# Altium PCB Board.PcbDoc (part 2 of 8) (continued)
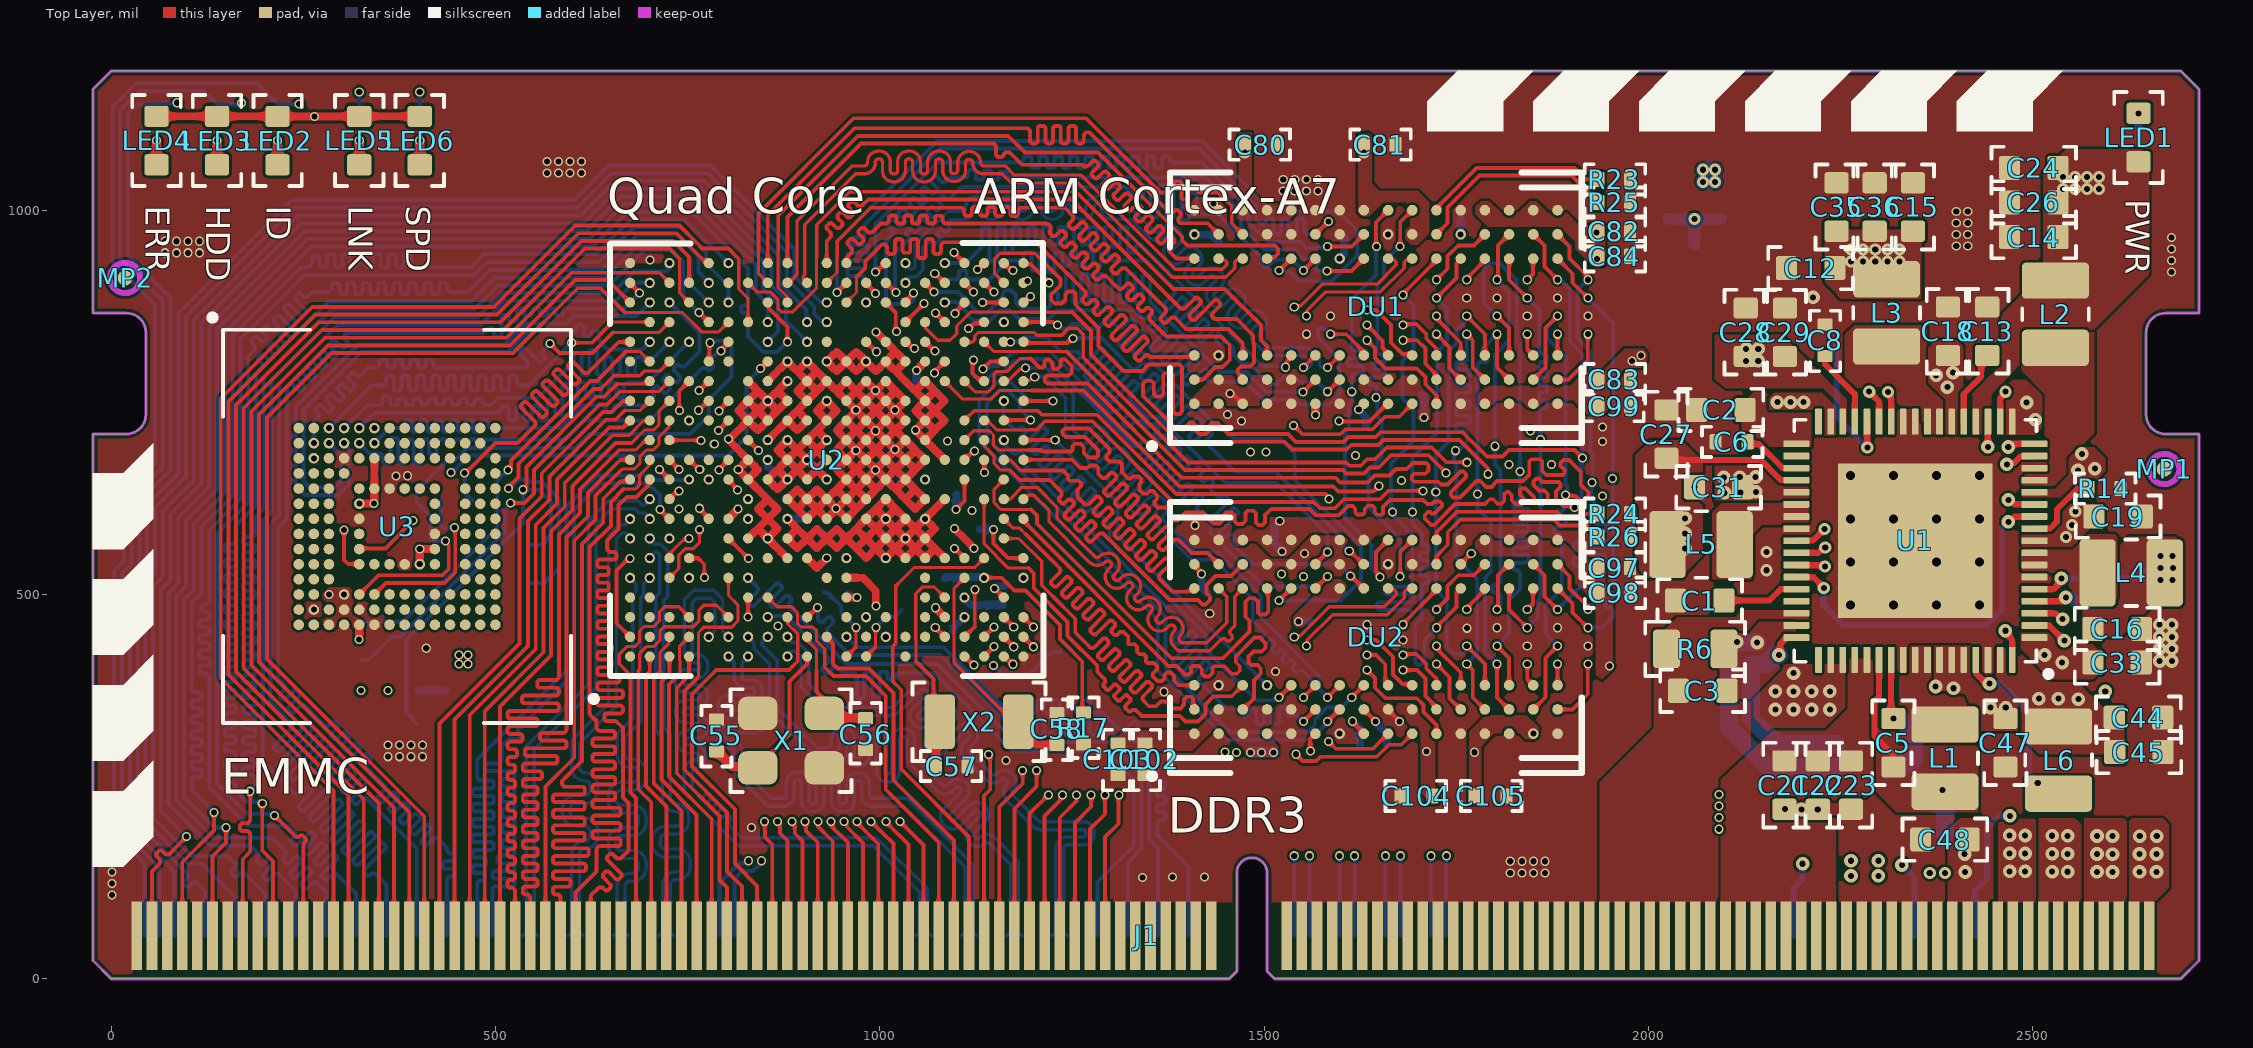
[diagram p0: Top Layer view]
## Nets (pads, with @x,y where several pads share a name; then routed paths per layer and width w, separated by ;. In a path a pad name is that pad's centre, name@x,y a point inside that pad or via, vN(x,y) a via of type N, cw(c..) or ccw(c..) an arc to the next point about the centre after c; other vN are vias at no path point) (continued)
EMMC_D2: U2.D17 U3.A5 | length 756.3
  Bottom Layer w5: v1(322.83,716.53) 342.52,736.22 500,736.22 502.5,736.22 ccw(c502.5,741.22) 507.5,741.22 507.5,741.82 cw(c511,741.82) 511,745.32 514,745.32 cw(c514,741.82) 517.5,741.82 517.5,730.04 ccw(c521,730.04) 521,726.54 524,726.54 ccw(c524,730.04) 527.5,730.04 527.5,741.82 cw(c531,741.82) 531,745.32 534,745.32 cw(c534,741.82) 537.5,741.82 537.5,730.04 ccw(c541,730.04) 541,726.54 544,726.54 ccw(c544,730.04) 547.5,730.04 547.5,741.82 cw(c551,741.82) 551,745.32 554,745.32 cw(c554,741.82) 557.5,741.82 557.5,730.04 ccw(c561,730.04) 561,726.54 564,726.54 ccw(c564,730.04) 567.5,730.04 567.5,750.65 cw(c571,750.65) 571,754.15 574,754.15 cw(c574,750.65) 577.5,750.65 577.5,737.39 ccw(c581,737.39) 581,733.89 584,733.89 ccw(c584,737.39) 587.5,737.39 587.5,770.65 cw(c591,770.65) 591,774.15 594,774.15 cw(c594,770.65) 597.5,770.65 597.5,757.35 ccw(c601,757.35) 601,753.85 604,753.85 ccw(c604,757.35) 607.5,757.35 607.5,772.09 cw(c611,772.09) 611,775.59 614,775.59 cw(c614,772.09) 617.5,772.09 617.5,759.72 ccw(c621,759.72) 621,756.22 624,756.22 ccw(c624,759.72) 627.5,759.72 627.5,772.09 cw(c631,772.09) 631,775.59 634,775.59 cw(c634,772.09) 637.5,772.09 637.5,759.72 ccw(c641,759.72) 641,756.22 644,756.22 ccw(c644,759.72) 647.5,759.72 647.5,772.09 cw(c651,772.09) 651,775.59 654,775.59 cw(c654,772.09) 657.5,772.09 657.5,759.72 ccw(c661,759.72) 661,756.22 664,756.22 ccw(c664,759.72) 667.5,759.72 667.5,770.59 cw(c672.5,770.59) 672.5,775.59 692.91,775.59 698.82,775.59 v1(751.97,828.74)
EMMC_D3: U2.C18 U3.B2 | length 754.1
  Top Layer w4: 653.15,840.99 713.04,840.99 U2.C18@726.38,854.33
  Top Layer w5: v1(570.87,826.77) 583.57,814.07 626.23,814.07 653.15,840.99
  Bottom Layer w5: v1(263.78,696.85) 263.78,724.41 266.71,727.34 268.48,729.11 ccw(c264.94,732.64) 268.48,736.18 267.07,737.58 cw(c269.55,740.06) 267.07,742.53 269.19,744.65 cw(c271.67,742.18) 274.14,744.65 280.49,738.31 ccw(c282.96,740.78) 285.44,738.31 287.56,740.43 ccw(c285.08,742.9) 287.56,745.38 281.21,751.72 cw(c283.69,754.2) 281.21,756.67 283.33,758.79 cw(c285.81,756.32) 288.28,758.79 294.63,752.45 ccw(c297.1,754.92) 299.58,752.45 301.7,754.57 ccw(c299.22,757.05) 301.7,759.52 295.35,765.86 cw(c297.83,768.34) 295.35,770.81 297.48,772.94 cw(c299.95,770.46) 302.43,772.94 308.77,766.59 ccw(c311.24,769.07) 313.72,766.59 315.84,768.71 ccw(c313.37,771.19) 315.84,773.66 309.5,780.01 cw(c311.97,782.48) 309.5,784.96 311.62,787.08 cw(c314.09,784.6) 316.57,787.08 317.97,785.67 ccw(c321.51,789.21) 325.04,785.67 334.65,795.28 341.57,795.28 344.07,795.28 ccw(c344.07,800.28) 349.07,800.28 349.07,801.89 cw(c352.57,801.89) 352.57,805.39 355.57,805.39 cw(c355.57,801.89) 359.07,801.89 359.07,798.32 ccw(c362.57,798.32) 362.57,794.82 365.57,794.82 ccw(c365.57,798.32) 369.07,798.32 369.07,801.89 cw(c372.57,801.89) 372.57,805.39 375.57,805.39 cw(c375.57,801.89) 379.07,801.89 379.07,798.32 ccw(c382.57,798.32) 382.57,794.82 385.57,794.82 ccw(c385.57,798.32) 389.07,798.32 389.07,801.89 cw(c392.57,801.89) 392.57,805.39 395.57,805.39 cw(c395.57,801.89) 399.07,801.89 399.07,798.32 ccw(c402.57,798.32) 402.57,794.82 405.57,794.82 ccw(c405.57,798.32) 409.07,798.32 409.07,801.89 cw(c412.57,801.89) 412.57,805.39 415.57,805.39 cw(c415.57,801.89) 419.07,801.89 419.07,800.28 ccw(c424.07,800.28) 424.07,795.28 432.59,795.28 539.37,795.28 541.14,797.04 ccw(c537.6,800.58) 541.14,804.11 532.57,812.69 cw(c535.04,815.16) 532.57,817.64 534.69,819.76 cw(c537.16,817.28) 539.64,819.76 555.93,803.47 ccw(c558.4,805.94) 560.88,803.47 563,805.59 ccw(c560.53,808.06) 563,810.54 562.35,811.19 cw(c565.89,814.72) 562.35,818.26 v1(570.87,826.77)
EMMC_D4: U2.B17 U3.B3 | length 738.4
  Bottom Layer w5: v1(283.46,696.85) 299.21,681.1 299.21,647.07 291.68,639.54 258.01,639.54 250.16,647.39 250.16,739.76 325.79,815.39 516.18,815.39 543.31,842.52 597.5,842.52 600,842.52 ccw(c600,847.52) 605,847.52 cw(c608.5,847.52) 608.5,851.02 611.5,851.02 cw(c611.5,847.52) 615,847.52 615,839.57 ccw(c618.5,839.57) 618.5,836.07 621.5,836.07 ccw(c621.5,839.57) 625,839.57 cw(c628.5,839.57) 628.5,843.07 631.5,843.07 cw(c631.5,839.57) 635,839.57 635,831.64 ccw(c640,831.64) 636.46,828.1 645.67,818.9 657.65,818.9 690.94,818.9 v1(700.79,828.74)
EMMC_D5: U2.B19 U3.B4 | length 755.1
  Bottom Layer w5: v1(303.15,696.85) 303.15,695.01 309.21,688.94 309.21,642.93 295.82,629.54 252.35,629.54 240.16,641.73 240.16,743.9 321.64,825.39 512.03,825.39 539.16,852.52 592.68,852.52 602.36,862.2 683.3,862.2 699.92,878.82 v1@700.79,877.95
  other v1: 700.79,879.92
EMMC_D6: U2.F17 U3.B5 | length 741.7
  Top Layer w5: v1(793.64,816.71) 793.64,818.13 803.15,827.64 U2.F17@803.15,828.74
  Bottom Layer w5: v1(322.83,696.85) 336.24,683.44 348.74,683.44 cw(c348.74,678.44) 353.74,678.44 353.74,673.41 ccw(c357.24,673.41) 357.24,669.91 360.24,669.91 ccw(c360.24,673.41) 363.74,673.41 363.74,700.43 cw(c367.24,700.43) 367.24,703.93 370.24,703.93 cw(c370.24,700.43) 373.74,700.43 373.74,673.41 ccw(c377.24,673.41) 377.24,669.91 380.24,669.91 ccw(c380.24,673.41) 383.74,673.41 383.74,698.06 cw(c387.24,698.06) 387.24,701.56 390.24,701.56 cw(c390.24,698.06) 393.74,698.06 393.74,673.41 ccw(c397.24,673.41) 397.24,669.91 400.24,669.91 ccw(c400.24,673.41) 403.74,673.41 403.74,698.06 cw(c407.24,698.06) 407.24,701.56 410.24,701.56 cw(c410.24,698.06) 413.74,698.06 413.74,685.48 ccw(c417.24,685.48) 417.24,681.98 420.24,681.98 ccw(c420.24,685.48) 423.74,685.48 423.74,696.56 cw(c428.74,696.56) 428.74,701.56 437.01,701.56 591.33,701.56 616.08,726.32 700.73,726.32 758.86,784.45 767.7,793.29 cw(c771.23,789.75) 774.77,793.29 775.34,792.71 ccw(c777.82,795.19) 780.29,792.71 782.41,794.83 ccw(c779.94,797.31) 782.41,799.78 781.84,800.36 cw(c785.38,803.89) 781.84,807.43 787.19,812.78 787.87,812.78 791.8,816.71 v1(793.64,816.71)
EMMC_D7: U2.C19 U3.B6 | length 757
  Bottom Layer w5: v1(342.52,696.85) 362.2,716.54 374.02,716.54 376.52,716.54 ccw(c376.52,721.54) 381.52,721.54 381.52,722.75 cw(c384.99,722.75) 384.99,726.22 387.97,726.22 cw(c387.97,722.75) 391.44,722.75 391.44,715.03 ccw(c394.91,715.03) 394.91,711.56 397.89,711.56 ccw(c397.89,715.03) 401.36,715.03 401.36,722.75 cw(c404.83,722.75) 404.83,726.22 407.81,726.22 cw(c407.81,722.75) 411.28,722.75 411.28,715.03 ccw(c414.75,715.03) 414.75,711.56 417.73,711.56 ccw(c417.73,715.03) 421.2,715.03 421.2,722.75 cw(c424.67,722.75) 424.67,726.22 427.65,726.22 cw(c427.65,722.75) 431.12,722.75 431.12,715.03 ccw(c434.6,715.03) 434.6,711.56 437.57,711.56 ccw(c437.57,715.03) 441.04,715.03 441.04,722.75 cw(c444.52,722.75) 444.52,726.22 447.49,726.22 cw(c447.49,722.75) 450.97,722.75 450.97,715.03 ccw(c454.44,715.03) 454.44,711.56 457.41,711.56 ccw(c457.41,715.03) 460.89,715.03 460.89,722.75 cw(c464.36,722.75) 464.36,726.22 467.34,726.22 cw(c467.34,722.75) 470.81,722.75 470.81,715.03 ccw(c474.28,715.03) 474.28,711.56 477.26,711.56 ccw(c477.26,715.03) 480.73,715.03 480.73,722.75 cw(c484.2,722.75) 484.2,726.22 487.18,726.22 cw(c487.18,722.75) 490.65,722.75 490.65,721.54 ccw(c495.65,721.54) 495.65,716.54 526.14,716.54 584.28,716.54 613.97,746.22 625.98,746.22 638.48,746.22 cw(c638.48,741.22) 643.48,741.22 643.48,739.82 ccw(c646.98,739.82) 646.98,736.32 649.98,736.32 ccw(c649.98,739.82) 653.48,739.82 653.48,741.22 cw(c658.48,741.22) 658.48,746.22 671.98,746.22 695.95,746.22 703.2,753.47 704.97,755.23 ccw(c701.43,758.77) 704.97,762.31 704.8,762.48 cw(c707.27,764.95) 704.8,767.43 706.92,769.55 cw(c709.39,767.07) 711.87,769.55 718.37,763.05 ccw(c720.84,765.52) 723.32,763.05 725.44,765.17 ccw(c722.96,767.65) 725.44,770.12 718.94,776.62 cw(c721.41,779.09) 718.94,781.57 721.06,783.69 cw(c723.54,781.22) 726.01,783.69 732.51,777.19 ccw(c734.98,779.67) 737.46,777.19 739.58,779.31 ccw(c737.11,781.79) 739.58,784.26 733.08,790.76 cw(c735.56,793.24) 733.08,795.71 735.2,797.83 cw(c737.68,795.36) 740.15,797.83 740.32,797.66 ccw(c743.86,801.2) 747.4,797.66 763.15,813.42 765.65,815.91 765.65,840.65 v1(726.38,879.92)
EMMC_RST: U2.H16 U3.K5 | length 813.2
  Top Layer w5: v1(303.11,583.92) 303.11,544.89 308.44,539.56 322.65,539.56 U3.K5@322.83,539.37 ; v1(844.97,793.73) U2.H16@854.33,803.15
  Int2 (Sign) w5: v1(303.11,583.92) 294.08,583.92 284.5,593.5 284.5,632.5 321,669 431.95,669 v1(442.23,658.73)
  Bottom Layer w5: v1(442.23,658.73) 443.75,658.73 465.59,680.57 802.62,680.57 826.87,704.83 826.87,775.63 v1(844.97,793.73)
FLASH_CLK: U2.B16 U4.6 | length 565.4
  Top Layer w4: 670.1,816 687.94,816 U2.B16@700.79,803.15
  Top Layer w5: v1(516.51,661.79) 520.24,665.52 520.24,674.19 623.89,777.84 631.94,777.84 670.1,816
  Bottom Layer w5: U4.6@326.5,465 380,465 502.32,587.32 502.32,647.6 v1(516.51,661.79)
FLASH_CS: R18.2 U2.B15 U4.1 | length 732.3
  Top Layer w4: 658.03,774 697.22,774 U2.B15@700.79,777.56
  Top Layer w5: v1(535.96,636.27) 540.24,640.54 540.24,665.91 631.55,757.22 641.26,757.22 658.03,774
  Bottom Layer w5: R18.2@398.17,331.83 384.16,345.84 384.16,441.14 535.96,592.94 v1(535.96,636.27) 556.65,636.27 572.3,620.61 572.3,576.86 560.01,564.57 U4.1@543.03,564.57
FLASH_MISO: U2.C16 U4.2 | length 507
  Top Layer w4: 687.58,784.5 693.64,790.56 713.79,790.56 U2.C16@726.38,803.15
  Top Layer w5: v1(517.03,637.96) 517.03,639.59 530.24,652.79 530.24,670.05 627.41,767.22 637.12,767.22 654.39,784.5 687.58,784.5
  Bottom Layer w5: v1@517.87,637.13 530.41,649.67 541.52,649.67 544.92,646.27 560.79,646.27 582.3,624.75 582.3,533.48 563.82,515 U4.2@546.97,515 U4.2@543.03,515
FLASH_MOSI: U2.C15 U4.5 | length 585.5
  Top Layer w4: 662.4,764.22 713.04,764.22 U2.C15@726.38,777.56
  Top Layer w5: v1(519.68,619.05) 537.71,619.05 550.24,631.58 550.24,661.76 635.7,747.22 645.4,747.22 662.4,764.22
  Bottom Layer w5: U4.5@326.5,415 334.76,415 365.1,445.33 376.33,445.33 512.32,581.32 512.32,609.85 519.68,617.21 v1(519.68,619.05)
GND: C1.2 C2.2 C4.1 C6.2 C7.1 C8.2 C9.1 C10.2 C11.2 C12.2 C13.1 C14.1 C15.2 C16.2 C17.2 C18.2 C19.2 C20.2 C21.1 C22.1 C23.1 C24.1 C25.1 C26.1 C27.2 C28.2 C29.1 C30.2 C31.2 C32.2 C33.2 C34.1 C35.1 C36.1 C37.1 C38.1 C39.1 C40.1 C41.1 C42.1 C43.1 C44.2 C45.2 C46.2 C47.2 C48.1 C49.1 C50.1 C51.1 C52.1 C53.1 C54.1 C55.2 C56.2 C57.2 C58.2 C59.1 C60.1 C61.2 C62.2 C63.2 C64.2 C65.1 C66.1 C67.1 C68.1 C69.1 C70.1 C71.1 C73.1 C74.1 C75.1 C76.1 C77.1 C78.1 C79.1 C80.2 C81.1 C82.1 C83.1 C84.1 C85.1 C86.1 C87.1 C88.1 C89.1 C90.1 C91.1 C92.2 C93.1 C94.1 C95.1 C96.1 C97.1 C98.1 C99.2 C100.1 C101.1 C102.1 C103.1 C104.1 C105.1 C106.1 C107.1 C108.1 C109.1 C110.1 C111.1 DU1.A9 DU1.B1 DU1.B3 DU1.B9 DU1.D1 DU1.D8 DU1.E1 DU1.E2 DU1.E8 DU1.F9 DU1.G1 DU1.G8 DU1.G9 DU1.J2 DU1.J8 DU1.M1 DU1.M9 DU1.P1 DU1.P9 DU1.T1 DU1.T9 DU2.A9 DU2.B1 DU2.B3 DU2.B9 DU2.D1 DU2.D8 DU2.E1 DU2.E2 DU2.E8 DU2.F9 DU2.G1 DU2.G8 DU2.G9 DU2.J2 DU2.J8 DU2.M1 DU2.M9 DU2.P1 DU2.P9 DU2.T1 DU2.T9 J1.1 J1.5 J1.8 J1.9 J1.12 J1.13 J1.16 J1.17 J1.20 J1.21 J1.24 J1.25 J1.28 J1.32 J1.36 J1.40 J1.44 J1.50 J1.68 J1.74 J1.76 J1.82 J1.84 J1.86 J1.88 J1.90 J1.92 J1.94 J1.96 J1.98 J1.100 J1.102 J1.108 J1.114 J1.120 J1.126 J1.130 J1.131 J1.133 J1.134 J1.135 J1.137 J1.138 J1.139 J1.141 J1.142 J1.143 J1.144 J1.145 J1.147 J1.149 J1.150 J1.151 J1.153 J1.155 J1.156 J1.157 J1.159 J1.161 J1.162 J1.163 J1.165 J1.167 J1.168 J1.169 J1.170 J1.171 J1.172 J1.173 J1.174 J1.175 J1.176 J1.177 J1.178 J1.179 J1.180 J1.181 J1.182 J1.183 J1.184 J1.185 J1.186 J1.188 J1.190 J1.192 J1.194 J1.196 J1.198 J1.200 J1.202 J1.204 J1.206 J1.208 J1.210 J1.219 J1.221 J1.223 J1.225 J1.227 J1.229 J1.231 J1.238 J1.240 J1.242 J1.244 J1.246 J1.248 J1.250 J1.252 J1.254 J1.256 J1.258 J1.260 R1.2 R2.1 R14.1 R17.2 R21.2 R22.2 R23.1 R24.1 R25.1 R26.1 R27.1 R29.1 U1.6 U1.15 U1.26 U1.27 U1.42 U1.59 U1.66 U1.69 U2.A21 U2.AA1 U2.G8 U2.H12 U2.H15 U2.J9 U2.J13 U2.J16 U2.K8 U2.K9 U2.K13 U2.K14 U2.K15 U2.K16 U2.L8 U2.L9 U2.L15 U2.M5 U2.M8 U2.M9 U2.M10 U2.M11 U2.M12 U2.M13 U2.M14 U2.M15 U2.N9 U2.N10 U2.N11 U2.N12 U2.N13 U2.N14 U2.N15 U2.P10 U2.P11 U2.P12 U2.P13 U2.P14 U2.P15 U2.R10 U2.R11 U2.R12 U2.R13 U2.R14 U2.T9 U2.T11 U2.U3 U3.C4 U3.E7 U3.G5 U3.H10 U3.K8 U3.N2 U3.N5 U3.P4 U3.P6 U4.4 X1.3 | length 2456
  Top Layer w5: DU2.J2@1661.42,350.1 v1@1676.34,335.18
  Top Layer w10: v1(854.33,700.79) U2.J13@879.92,726.38 ; U2.H15@854.33,777.56 v1(879.92,803.15) U2.K15@905.51,777.56 ; 892.72,790.35 v1(905.51,803.15) 918.31,790.35 ; U2.K15@905.51,777.56 918.31,790.35 ; 943.9,764.76 U2.M15@956.69,777.56 969.49,764.76 ; U2.M5@956.69,521.65 978.21,521.65 995,504.86 v1(995,485) ; 995.08,636.81 U2.N10@982.28,649.61 ; v1(1072.32,482.73) U2.U3@1084.65,470.47 ; U2.J13@879.92,726.38 892.72,739.17 ; U2.J13@879.92,726.38 892.72,713.58 U2.K13@905.51,726.38 892.72,739.17 ; 892.72,611.22 U2.J9@879.92,624.02 892.72,636.81 U2.K9@905.51,624.02 ; 892.72,611.22 U2.K8@905.51,598.42 918.31,611.22 ; 892.72,611.22 U2.K9@905.51,624.02 ; 892.72,739.17 U2.K14@905.51,751.97 ; U2.K9@905.51,624.02 918.31,636.81 U2.L9@931.1,624.02 ; U2.K9@905.51,624.02 918.31,611.22 ; U2.K14@905.51,751.97 918.31,764.76 ; U2.K14@905.51,751.97 892.72,764.76 U2.K15@905.51,777.56 ; U2.K15@905.51,777.56 918.31,764.76 ; 918.31,611.22 U2.L9@931.1,624.02 ; 918.31,611.22 U2.L8@931.1,598.42 v1@943.9,611.22 ; 918.31,764.76 U2.L15@931.1,777.56 ; 918.31,790.35 U2.L15@931.1,777.56 ; U2.L9@931.1,624.02 v1@943.9,611.22 ; U2.L9@931.1,624.02 943.9,636.81 ; U2.L15@931.1,777.56 U2.M14@956.69,751.97 ; v1@943.9,611.22 U2.M9@956.69,624.02 ; v1@943.9,611.22 U2.M8@956.69,598.42 969.49,611.22 ; 943.9,636.81 U2.M10@956.69,649.61 ; 943.9,636.81 U2.M9@956.69,624.02 ; U2.M9@956.69,624.02 969.49,611.22 ; U2.M9@956.69,624.02 969.49,636.81 ; U2.M10@956.69,649.61 969.49,636.81 ; U2.M10@956.69,649.61 943.9,662.4 U2.M11@956.69,675.2 ; U2.M10@956.69,649.61 969.49,662.4 ; U2.M11@956.69,675.2 v1@969.49,687.99 ; U2.M11@956.69,675.2 969.49,662.4 ; U2.M11@956.69,675.2 943.9,687.99 U2.M12@956.69,700.79 ; U2.M12@956.69,700.79 v1@969.49,687.99 ; U2.M12@956.69,700.79 943.9,713.58 U2.M13@956.69,726.38 ; U2.M12@956.69,700.79 969.49,713.58 ; U2.M13@956.69,726.38 v1@969.49,739.17 ; U2.M13@956.69,726.38 969.49,713.58 ; U2.M14@956.69,751.97 v1@969.49,739.17 ; U2.M14@956.69,751.97 969.49,764.76 ; 969.49,611.22 U2.N9@982.28,624.02 ; 969.49,636.81 U2.N10@982.28,649.61 ; 969.49,636.81 U2.N9@982.28,624.02 ; 969.49,662.4 U2.N10@982.28,649.61 ; 969.49,662.4 U2.N11@982.28,675.2 ; v1@969.49,687.99 U2.N11@982.28,675.2 ; v1@969.49,687.99 U2.N12@982.28,700.79 ; 969.49,713.58 U2.N13@982.28,726.38 ; 969.49,713.58 U2.N12@982.28,700.79 ; v1@969.49,739.17 U2.N14@982.28,751.97 ; v1@969.49,739.17 U2.N13@982.28,726.38 ; 969.49,764.76 U2.N14@982.28,751.97 ; 969.49,764.76 U2.N15@982.28,777.56 v1@995.08,764.76 ; U2.N9@982.28,624.02 U2.P10@1007.87,649.61 ; U2.N10@982.28,649.61 v1@995.08,662.4 ; U2.N11@982.28,675.2 v1@995.08,662.4 ; U2.N11@982.28,675.2 995.08,687.99 ; U2.N12@982.28,700.79 v1@995.08,713.58 ; U2.N12@982.28,700.79 995.08,687.99 ; U2.N13@982.28,726.38 995.08,739.17 ; U2.N13@982.28,726.38 v1@995.08,713.58 ; U2.N14@982.28,751.97 v1@995.08,764.76 ; U2.N14@982.28,751.97 995.08,739.17 ; v1@995.08,662.4 U2.P10@1007.87,649.61 ; v1@995.08,662.4 U2.P11@1007.87,675.2 ; 995.08,687.99 U2.P12@1007.87,700.79 ; 995.08,687.99 U2.P11@1007.87,675.2 ; v1@995.08,713.58 U2.P12@1007.87,700.79 ; v1@995.08,713.58 U2.P13@1007.87,726.38 ; 995.08,739.17 U2.P14@1007.87,751.97 ; 995.08,739.17 U2.P13@1007.87,726.38 ; v1@995.08,764.76 U2.P15@1007.87,777.56 1020.67,764.76 ; v1@995.08,764.76 U2.P14@1007.87,751.97 ; U2.P10@1007.87,649.61 1020.67,636.81 ; U2.P10@1007.87,649.61 1020.67,662.4 ; U2.P11@1007.87,675.2 v1@1020.67,687.99 ; U2.P11@1007.87,675.2 1020.67,662.4 ; U2.P12@1007.87,700.79 v1@1020.67,687.99 ; U2.P12@1007.87,700.79 1020.67,713.58 ; U2.P13@1007.87,726.38 v1@1020.67,739.17 ; U2.P13@1007.87,726.38 1020.67,713.58 ; U2.P14@1007.87,751.97 v1@1020.67,739.17 ; U2.P14@1007.87,751.97 1020.67,764.76 ; 1020.67,636.81 U2.R10@1033.46,649.61 ; 1020.67,636.81 1033.46,624.02 ; 1020.67,662.4 U2.R11@1033.46,675.2 ; 1020.67,662.4 U2.R10@1033.46,649.61 ; v1@1020.67,687.99 U2.R12@1033.46,700.79 ; v1@1020.67,687.99 U2.R11@1033.46,675.2 ; 1020.67,713.58 U2.R13@1033.46,726.38 v1@1020.67,739.17 ; 1020.67,713.58 U2.R12@1033.46,700.79 ; v1@1020.67,739.17 U2.R14@1033.46,751.97 1020.67,764.76 ; 1033.46,624.02 1046.26,636.81 ; 1033.46,624.02 1046.26,611.22 U2.T9@1059.06,624.02 1046.26,636.81 ; U2.R10@1033.46,649.61 1046.26,662.4 ; U2.R10@1033.46,649.61 1046.26,636.81 ; U2.R11@1033.46,675.2 1046.26,662.4 ; U2.R11@1033.46,675.2 1046.26,687.99 ; U2.R12@1033.46,700.79 1046.26,687.99 ; 1046.26,662.4 U2.T11@1059.06,675.2 1046.26,687.99
  other v1: 1.11,109.04 1.11,124.04 1341.66,131.8 1381.08,132.23 1422.71,132.2 1820.4,137.86 1835.4,137.86 1850.4,137.86 1865.4,137.86 1.11,139.04 1820.4,152.86 1835.4,152.86 1850.4,152.86 1865.4,152.86 1.11,154.04 2091.98,194.56 833.01,196.88 2091.98,209.56 2091.98,224.56 2091.98,239.56 1164.52,284.18 360.22,288.89 375.22,288.89 390.22,288.89 405.22,288.89 360.22,303.89 375.22,303.89 390.22,303.89 405.22,303.89 1598.43,318.9 1676.34,334.59 1370,373.44 1440.95,381.89 1515,400 410,430 1842.52,433.07 1921.26,433.07 1681.1,440.94 1763.94,456.07 1803.15,456.69 1881.89,456.69 867.74,458.77 1633.86,460.63 1429.37,475.42 263.78,480.31 1661.42,539.37 1552.6,553.42 1410,590 828.74,598.43 1120.23,609.43 739.03,611.33 943.28,611.84 370.7,654.28 385.83,654.44 994.46,661.78 968.87,687.37 1020.05,688.61 784.77,695.7 1940.16,698.87 1088.06,699.85 994.46,712.96 1940.16,717.84 1470.58,725.75 1452.76,734.39 968.87,739.79 1020.05,739.79 994.46,765.38 1440.95,811.02 1555.12,838.58 1586.61,862.2 1842.52,862.2 1921.26,862.2 1763.78,885.83 1803.15,885.83 1881.89,885.83 2680.58,919.61 2680.58,934.61 701.04,934.93 70.23,944.55 85.23,944.55 100.23,944.55 115.23,944.55 2680.58,949.61 2400.63,953.25 2415.63,953.25 70.23,959.55 85.23,959.55 100.23,959.55 115.23,959.55 2680.58,964.61 1661.42,968.51 2400.63,968.25 2415.63,968.25 2400.63,983.25 2415.63,983.25 2400.63,998.25 2415.63,998.25 1434.47,1008.49 1525,1025 1540,1025 1555,1025 1570,1025 1525,1040 1540,1040 1555,1040 1570,1040 566.96,1048.44 581.96,1048.44 596.96,1048.44 611.96,1048.44 566.96,1063.44 581.96,1063.44 596.96,1063.44 611.96,1063.44
  other v2: 2177.75,220.61 2199.33,220.23 2220.47,220.47 2665.35,413.39 2681.1,413.39 2665.35,429.13 2681.1,429.13 2665.35,444.88 2681.1,444.88 2665.35,460.63 2681.1,460.63 2059.97,639.54 2214.32,886.65
  other v3: 2153.54,531.5 2153.54,555.12
  other v4: 2262.8,486.22 2318.9,486.22 2375,486.22 2431.1,486.22 2262.8,542.32 2318.9,542.32 2375,542.32 2431.1,542.32 2262.8,598.43 2318.9,598.43 2375,598.43 2431.1,598.43 2262.8,654.53 2318.9,654.53 2375,654.53 2431.1,654.53
HDMI_CEC: J1.132 U2.G5 | length 944.9
  Bottom Layer w4.99: v1(828.74,521.65) 831.41,518.98 840.24,510.15 cw(c836.71,506.62) 840.24,503.1 830.13,492.98 ccw(c832.6,490.51) 830.13,488.03 832.25,485.92 ccw(c834.72,488.39) 837.19,485.92 864.72,513.44 cw(c867.19,510.97) 869.66,513.44 871.78,511.32 cw(c869.31,508.85) 871.78,506.38 857.09,491.68 ccw(c859.56,489.21) 857.09,486.74 859.2,484.62 ccw(c861.68,487.09) 864.15,484.62 877.01,497.48 cw(c879.48,495) 881.95,497.48 884.07,495.36 cw(c881.6,492.89) 884.07,490.41 883.43,489.77 ccw(c886.96,486.24) 883.43,482.71 889.76,476.38 956.69,409.45 1074.8,409.45 1176.49,307.76 1298.54,307.76 1340.4,265.9 1340.4,168.8 1322.83,151.23 J1.132@1322.83,55.98
HDMI_HPD: J1.140 U2.M2 | length 959.4
  Bottom Layer w4.99: v1(956.69,444.88) 970.32,431.25 1082.88,431.25 1167.74,346.39 1176.44,346.39 1178.94,346.39 ccw(c1178.94,351.38) 1183.93,351.38 1183.93,359.11 cw(c1187.42,359.11) 1187.42,362.61 1190.42,362.61 cw(c1190.42,359.11) 1193.92,359.11 1193.92,349.65 ccw(c1197.41,349.65) 1197.41,346.15 1200.41,346.15 ccw(c1200.41,349.65) 1203.91,349.65 1203.91,359.11 cw(c1207.4,359.11) 1207.4,362.61 1210.4,362.61 cw(c1210.4,359.11) 1213.9,359.11 1213.9,349.68 ccw(c1217.39,349.68) 1217.39,346.18 1220.39,346.18 ccw(c1220.39,349.68) 1223.89,349.68 1223.89,359.11 cw(c1227.38,359.11) 1227.38,362.61 1230.38,362.61 cw(c1230.38,359.11) 1233.88,359.11 1233.88,349.7 ccw(c1237.37,349.7) 1237.37,346.21 1240.37,346.21 ccw(c1240.37,349.7) 1243.87,349.7 1243.87,359.11 cw(c1247.36,359.11) 1247.36,362.61 1250.36,362.61 cw(c1250.36,359.11) 1253.86,359.11 1253.86,349.59 ccw(c1257.35,349.59) 1257.35,346.1 1260.35,346.1 ccw(c1260.35,349.59) 1263.85,349.59 1263.85,359.11 cw(c1267.34,359.11) 1267.34,362.61 1270.34,362.61 cw(c1270.34,359.11) 1273.84,359.11 1273.84,351.38 ccw(c1278.83,351.38) 1278.83,346.39 1289.78,346.39 1303.04,333.13 1310.21,325.96 1311.98,324.2 ccw(c1315.51,327.73) 1319.03,324.2 1328.6,333.76 cw(c1331.07,331.29) 1333.54,333.76 1335.66,331.64 cw(c1333.19,329.17) 1335.66,326.7 1325.04,316.08 ccw(c1327.52,313.6) 1325.04,311.13 1327.16,309.01 ccw(c1329.63,311.49) 1332.11,309.01 1340.62,317.53 cw(c1343.09,315.06) 1345.57,317.53 1347.69,315.41 cw(c1345.21,312.94) 1347.69,310.46 1340.23,303.01 ccw(c1343.76,299.48) 1340.23,295.95 1361.56,274.62 1361.56,264.38 1361.56,261.88 ccw(c1366.55,261.88) 1366.55,256.89 1368.37,256.89 cw(c1368.37,253.4) 1371.87,253.4 1371.87,250.4 cw(c1368.37,250.4) 1368.37,246.9 1363.88,246.9 ccw(c1363.88,243.41) 1360.38,243.41 1360.38,240.41 ccw(c1363.88,240.41) 1363.88,236.91 1368.37,236.91 cw(c1368.37,233.42) 1371.87,233.42 1371.87,230.42 cw(c1368.37,230.42) 1368.37,226.92 1363.88,226.92 ccw(c1363.88,223.43) 1360.38,223.43 1360.38,220.43 ccw(c1363.88,220.43) 1363.88,216.93 1368.37,216.93 cw(c1368.37,213.44) 1371.87,213.44 1371.87,210.44 cw(c1368.37,210.44) 1368.37,206.94 1366.55,206.94 ccw(c1366.55,201.95) 1361.56,201.95 1361.56,186.45 1365.85,182.16 1380.07,167.93 1401.57,146.44 J1.140@1401.57,55.98
HDMI_SCL: J1.128 U2.H3 | length 947.7
  Bottom Layer w4.99: v1(854.33,470.47) 855.64,471.78 861.8,471.78 862.19,472.17 878.22,472.17 923.23,427.17 932.06,418.34 cw(c928.53,414.81) 932.06,411.28 926.24,405.46 ccw(c928.71,402.99) 926.24,400.52 928.36,398.4 ccw(c930.83,400.87) 933.3,398.4 939.12,404.22 cw(c942.65,400.69) 946.18,404.22 952.76,397.64 965.24,397.64 cw(c965.24,392.65) 970.23,392.65 970.23,368.33 ccw(c973.73,368.33) 973.73,364.83 976.72,364.83 ccw(c976.72,368.33) 980.22,368.33 980.22,395.96 cw(c983.72,395.96) 983.72,399.46 986.71,399.46 cw(c986.71,395.96) 990.21,395.96 990.21,369.78 ccw(c993.71,369.78) 993.71,366.28 996.7,366.28 ccw(c996.7,369.78) 1000.2,369.78 1000.2,395.96 cw(c1003.7,395.96) 1003.7,399.46 1006.69,399.46 cw(c1006.69,395.96) 1010.19,395.96 1010.19,392.65 ccw(c1013.69,392.65) 1013.69,389.15 1016.68,389.15 ccw(c1016.68,392.65) 1020.18,392.65 cw(c1025.17,392.65) 1025.17,397.64 1059.05,397.64 1070.87,397.64 1171.88,296.63 1293.92,296.63 1330.41,260.14 1330.41,172.93 1283.46,125.98 J1.128@1283.46,55.98
HDMI_SDA: J1.136 U2.K3 | length 953.6
  Top Layer w5: U2.K3@905.51,470.47 906.24,470.47 918.59,482.83 v1(919.32,482.83)
  Bottom Layer w4.99: v1@919.48,482.66 v1(919.32,482.83) 919.32,469.18 ccw(c924.31,469.18) 927.83,465.66 931.83,469.66 cw(c934.31,467.18) 936.78,469.66 938.9,467.54 cw(c936.42,465.06) 938.9,462.59 932.99,456.69 ccw(c936.52,453.16) 932.99,449.63 941.82,440.8 961.36,421.26 1078.74,421.26 1171.1,328.9 1175.06,324.94 ccw(c1178.59,328.47) 1183.58,328.47 1183.58,333.08 cw(c1187.07,333.08) 1187.07,336.58 1190.07,336.58 cw(c1190.07,333.08) 1193.57,333.08 1193.57,321.25 ccw(c1197.06,321.25) 1197.06,317.75 1200.06,317.75 ccw(c1200.06,321.25) 1203.56,321.25 1203.56,332.81 cw(c1207.05,332.81) 1207.05,336.31 1210.05,336.31 cw(c1210.05,332.81) 1213.55,332.81 1213.55,321.25 ccw(c1217.04,321.25) 1217.04,317.75 1220.04,317.75 ccw(c1220.04,321.25) 1223.54,321.25 1223.54,332.84 cw(c1227.03,332.84) 1227.03,336.33 1230.03,336.33 cw(c1230.03,332.84) 1233.53,332.84 1233.53,321.25 ccw(c1237.02,321.25) 1237.02,317.75 1240.02,317.75 ccw(c1240.02,321.25) 1243.52,321.25 1243.52,332.86 cw(c1247.01,332.86) 1247.01,336.36 1250.01,336.36 cw(c1250.01,332.86) 1253.51,332.86 1253.51,321.25 ccw(c1257,321.25) 1257,317.75 1260,317.75 ccw(c1260,321.25) 1263.5,321.25 1263.5,332.76 cw(c1266.99,332.76) 1266.99,336.25 1269.99,336.25 cw(c1269.99,332.76) 1273.49,332.76 1273.49,321.25 ccw(c1276.98,321.25) 1276.98,317.75 1279.98,317.75 ccw(c1279.98,321.25) 1283.48,321.25 1283.48,325.08 cw(c1286.97,325.08) 1286.97,328.58 1289.97,328.58 cw(c1289.97,325.08) 1293.47,325.08 1293.47,323.89 ccw(c1298.46,323.89) 1298.46,318.9 1303.15,318.9 1310.43,311.62 1350.39,271.65 1350.39,181.1 1362.2,169.29 J1.136@1362.2,55.98
HDMI_TX0_N: J1.110 U2.F1 | length 943.1
  Bottom Layer w4.29: v1@803.15,418.72 v1(803.15,419.29) 810.8,411.64 810.8,400.27 810.8,392.97 ccw(c825.38,392.97) 825.38,378.39 833.75,378.39 cw(c833.75,375.14) 837,375.14 837,372.36 cw(c833.75,372.36) 833.75,369.1 802.89,369.1 ccw(c802.89,355.56) 789.35,355.56 789.35,352.78 ccw(c802.89,352.78) 802.89,339.23 836.87,339.23 cw(c836.87,335.98) 840.13,335.98 840.13,333.2 cw(c836.87,333.2) 836.87,329.94 802.89,329.94 ccw(c802.89,316.4) 789.35,316.4 789.35,313.62 ccw(c802.89,313.62) 802.89,300.07 806.51,300.07 cw(c806.51,295.78) 810.8,295.78 810.8,272.2 810.8,267.94 854.33,224.41 866.87,224.41 874.16,224.41 ccw(c874.16,238.99) 888.74,238.99 888.74,255.26 cw(c891.99,255.26) 891.99,258.51 894.78,258.51 cw(c894.78,255.26) 898.03,255.26 898.03,231.04 ccw(c911.57,231.04) 911.57,217.5 914.36,217.5 ccw(c914.36,231.04) 927.9,231.04 927.9,255.26 cw(c931.15,255.26) 931.15,258.51 933.94,258.51 cw(c933.94,255.26) 937.19,255.26 937.19,231.04 ccw(c950.73,231.04) 950.73,217.5 953.52,217.5 ccw(c953.52,231.04) 967.06,231.04 967.06,254.22 cw(c970.31,254.22) 970.31,257.47 973.1,257.47 cw(c973.1,254.22) 976.35,254.22 976.35,238.99 ccw(c990.93,238.99) 990.93,224.41 1031.5,224.41 1031.9,224.01 1111,144.91 1111,60.68 J1.110@1106.3,55.98